# Altium PCB LS1C300B_176A_Msystem.PcbDoc (part 1 of 3)
Units mm, origin at the board's own origin, x right, y up, seen from the top; angles counter-clockwise.
Board outline 100 x 70 mm, 2 copper layers (Top Layer, Bottom Layer); 142 components, 186 nets, 729 pads, 316 vias.
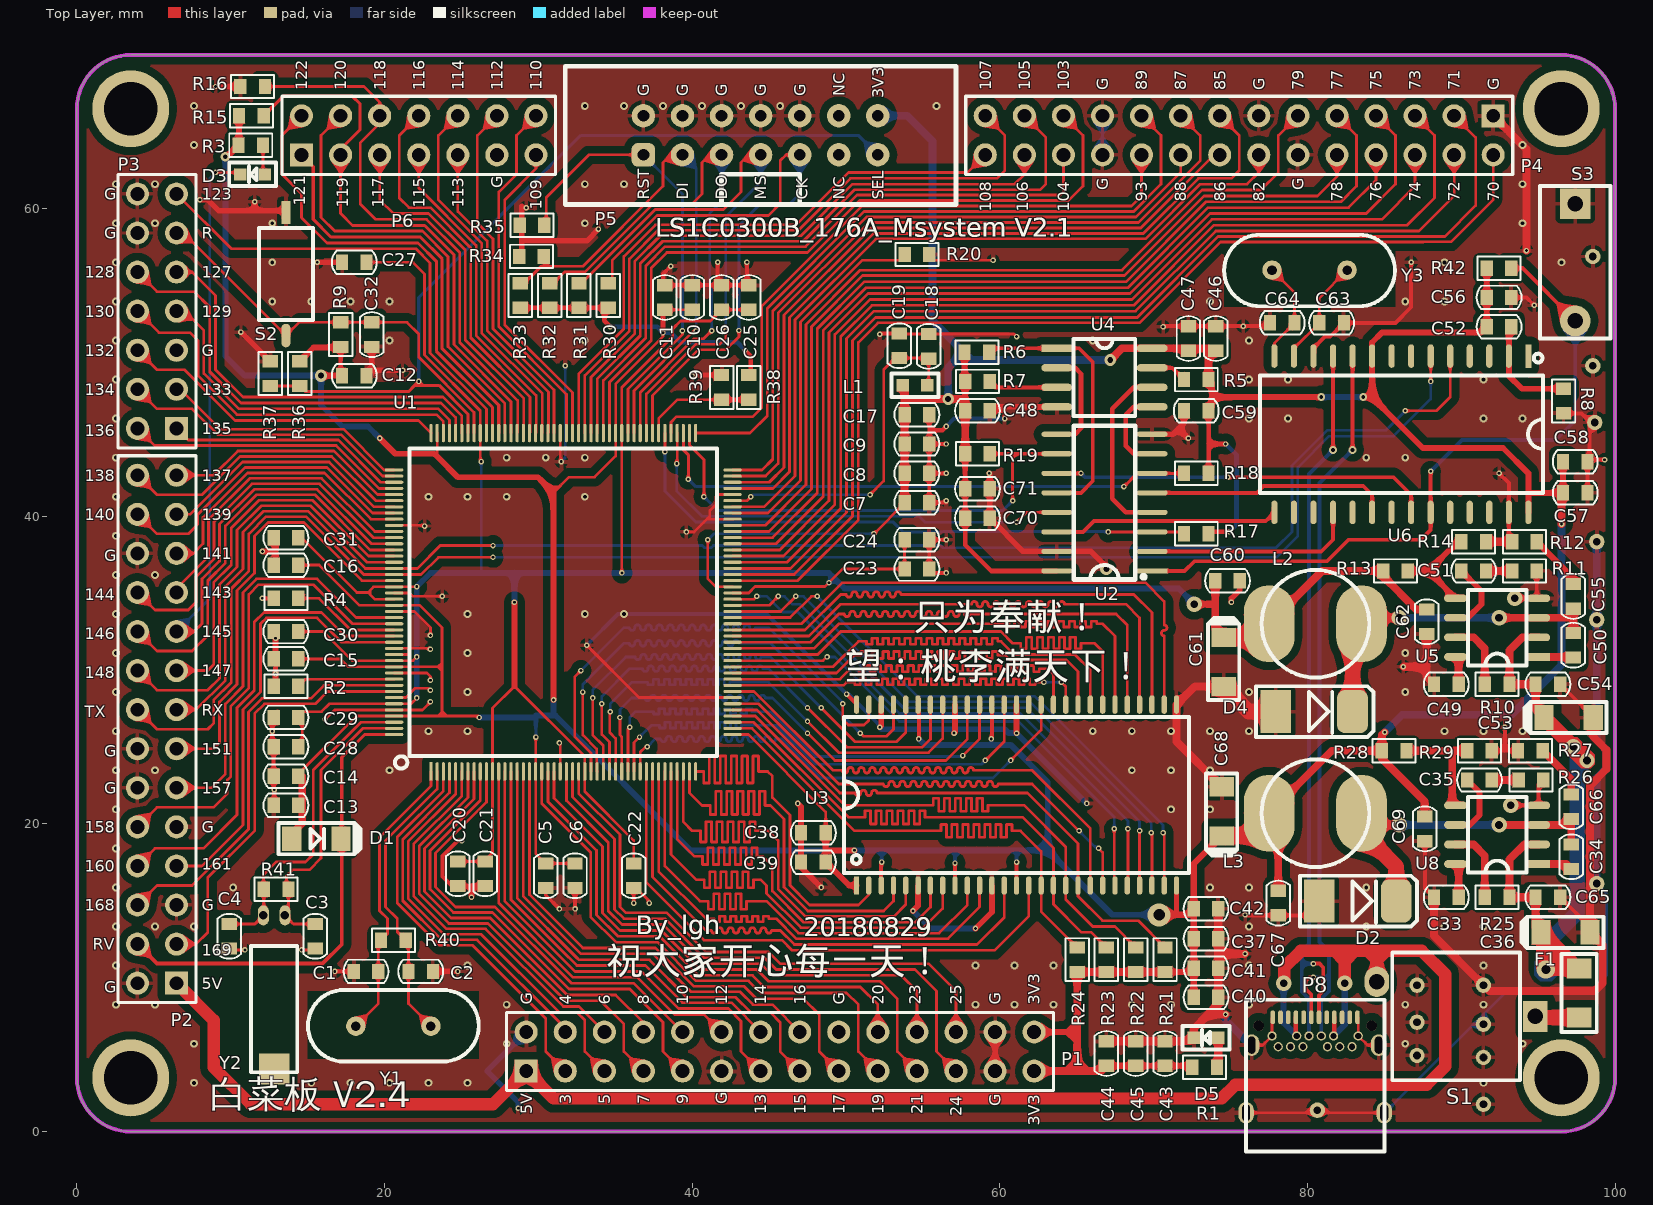
[diagram p0: Top Layer view]
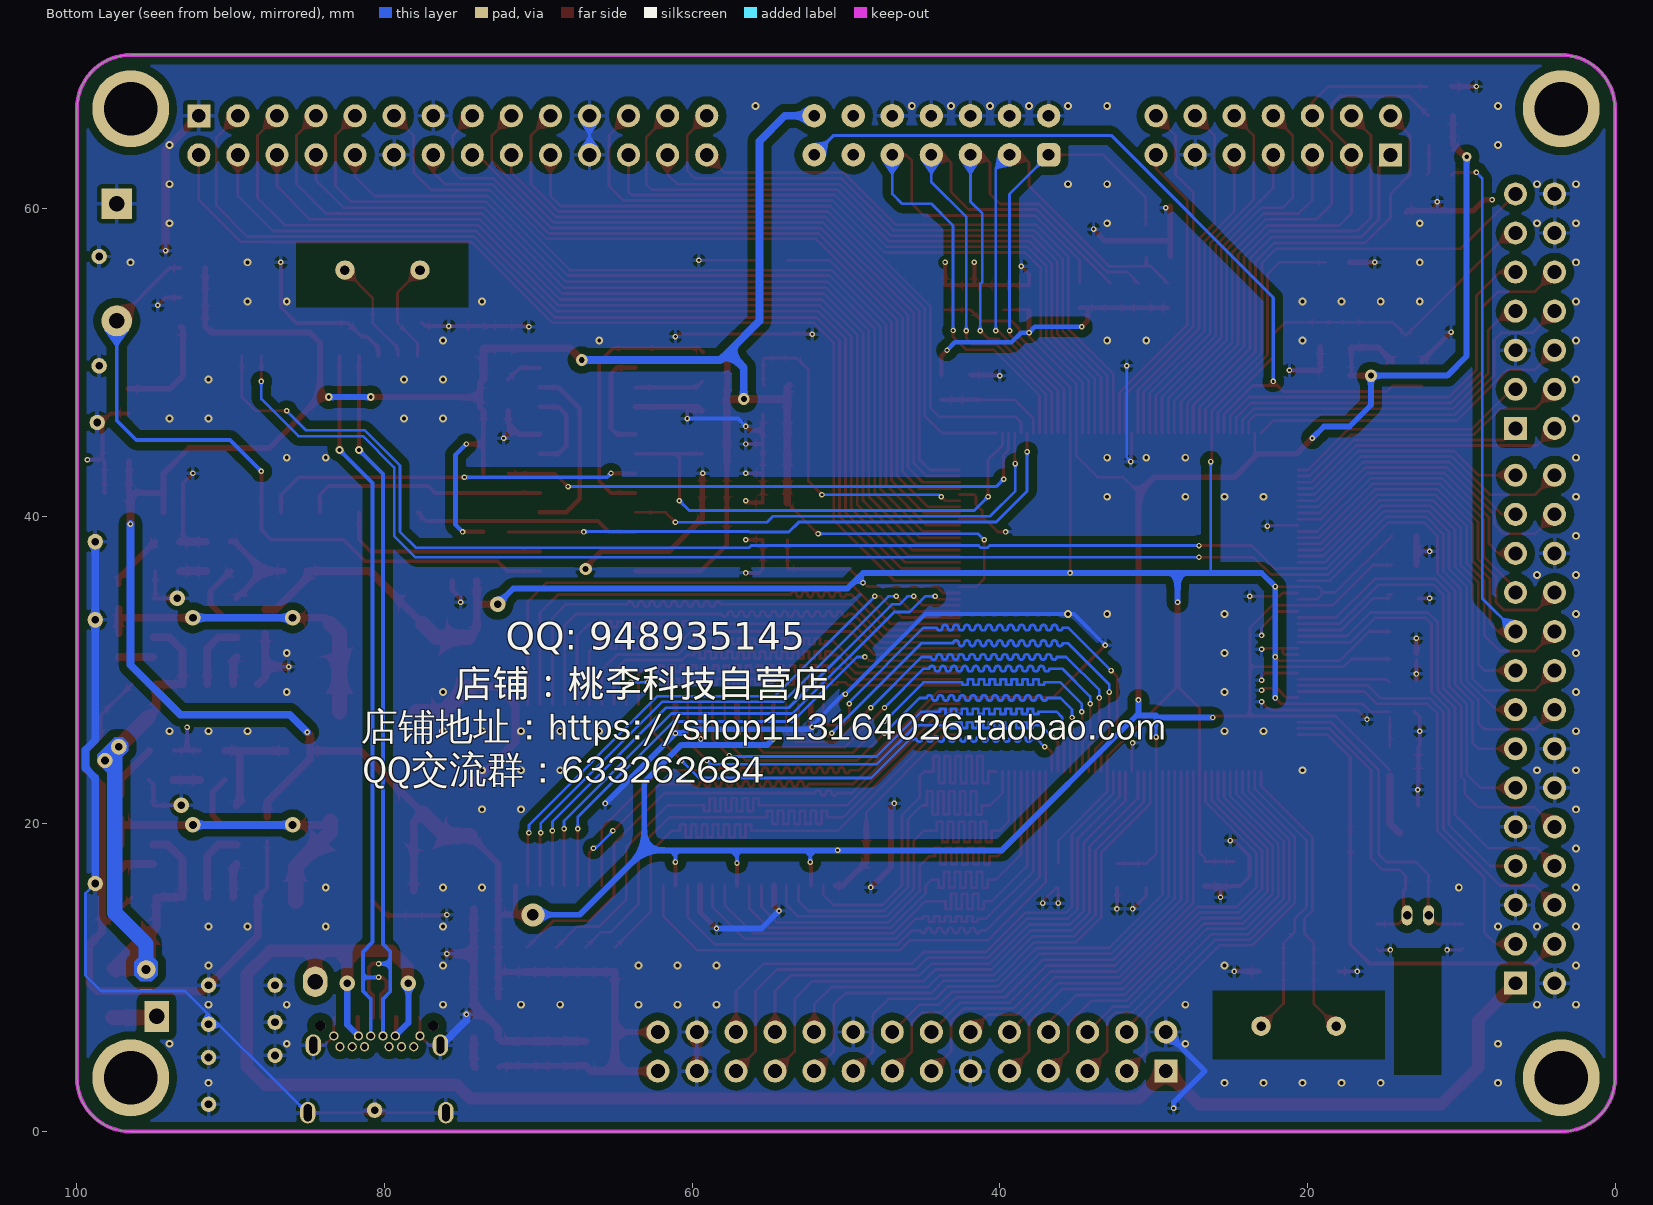
[diagram p1: Bottom Layer view, seen from below]

## Layer stack, top to bottom
Top Solder: solder mask 0.0102, Solder Resist, Dk 3.5
Top Layer: signal copper 0.0356
Dielectric 1: dielectric 0.32, FR-4, Dk 4.8
Bottom Layer: signal copper 0.0356
Bottom Solder: solder mask 0.0102, Solder Resist, Dk 3.5

## Board outline
0,3.5 ccw(c3.5,3.5) 3.5,0 96.5,0 ccw(c96.5,3.5) 100,3.5 100,66.5 ccw(c96.5,66.5) 96.5,70 3.5,70 ccw(c3.5,66.5) 0,66.5

## Design rules (kind name [scope] priority, off if disabled: settings)
Clearance [All] p1: gap=0.508 ignorepadtopadclearanceinfootprint=FALSE except(0: Arc-Hole Track-Hole SMDPad-Hole THPad-Hole Via-Hole Fill-Hole Poly-Hole Region-Hole Text-Hole; 0.178: Arc-Arc Arc-Track Arc-SMDPad Track-Track Track-SMDPad SMDPad-SMDPad; 0.2: THPad-THPad; 0.254: Arc-THPad Arc-Via Arc-Text Track-THPad Track-Via Track-Text SMDPad-THPad SMDPad-Via SMDPad-Text THPad-Via THPad-Text Via-Via Via-Text Fill-Text Poly-Text Region-Text Text-Text)
ComponentClearance [All] p1: gap=0.01 collisioncheckmode=3 verticalgap=0.254 showdistances=FALSE
HoleSize [All] p1: absolutevalues=TRUE maxlimit=3.81 minlimit=0.025 maxpercent=80.000 minpercent=20.000
Length [All] p1: maxlimit=2540 minlimit=0
Length SDRAM [All] p2: maxlimit=36.83 minlimit=34.29
MinimumSolderMaskSliver [All] p1: minsoldermaskwidth=0
PolygonConnect [All] p1: connectstyle=Relief reliefconductorwidth=0.254 reliefentries=4 polygonreliefangle="90 Angle" airgapwidth=0.254
RoutingVias [All] p1: holewidth=0.178 width=0.356 viastyle="Through Hole" minholewidth=0.178 minwidth=0.356 maxholewidth=0.711 maxwidth=1.27
SilkToSilkClearance [All] p1: silktosilkclearance=0
SilkToSolderMaskClearance [IsPad] p1: minsilkscreentomaskgap=0 clearancetoexposedcopper=TRUE
SolderMaskExpansion [All] p1: expansion=0.102
Width [All] p1: maxlimit=1.06 minlimit=0.152 preferedwidth=0.203
25 further rules are at their usual default settings.

## Components (designator, comment, footprint, x,y, rotation, side; value= is the part's Value field where it differs from the comment)
C1 "贴片电容" C0603 18.796,10.414 r0 top value=22pF
C2 "贴片电容" C0603 22.352,10.414 r180 top value=22pF
C3 "贴片电容" C0603 15.494,12.7 r90 top value=22pF
C4 "贴片电容" C0603 9.906,12.7 r90 top value=22pF
C5 "贴片电容" C0603 30.48,16.637 r90 top value=106
C6 "贴片电容" C0603 32.385,16.637 r90 top value=104
C7 "贴片电容" C0603 54.61,40.894 r180 top value=106
C8 "贴片电容" C0603 54.61,42.799 r180 top value=104
C9 "贴片电容" C0603 54.61,44.704 r180 top value=104
C10 "贴片电容" C0603 40.005,54.229 r270 top value=106
C11 "贴片电容" C0603 38.227,54.229 r270 top value=104
C12 "贴片电容" C0603 18.034,49.149 r180 top value=104
C13 "贴片电容" C0603 13.589,21.209 r0 top value=106
C14 "贴片电容" C0603 13.589,23.114 r0 top value=104
C15 "贴片电容" C0603 13.589,30.734 r0 top value=104
C16 "贴片电容" C0603 13.589,36.83 r0 top value=104
C17 "贴片电容" C0603 54.61,46.609 r180 top value=104
C18 "贴片电容" C0603 55.372,51.054 r270 top value=104
C19 "贴片电容" C0603 53.467,51.092 r270 top value=106
C20 "贴片电容" C0603 24.765,16.764 r90 top value=106
C21 "贴片电容" C0603 26.543,16.764 r90 top value=104
C22 "贴片电容" C0603 36.195,16.637 r90 top value=104
C23 "贴片电容" C0603 54.61,36.576 r180 top value=106
C24 "贴片电容" C0603 54.61,38.481 r180 top value=104
C25 "贴片电容" C0603 43.688,54.229 r270 top value=106
C26 "贴片电容" C0603 41.91,54.229 r270 top value=104
C27 "贴片电容" C0603 18.034,56.515 r0 top value=104
C28 "贴片电容" C0603 13.589,25.019 r0 top value=106
C29 "贴片电容" C0603 13.589,26.924 r0 top value=104
C30 "贴片电容" C0603 13.589,32.512 r0 top value=104
C31 "贴片电容" C0603 13.589,38.608 r0 top value=104
C32 "贴片电容" C0603 19.177,51.816 r90 top value=106
C33 "贴片电容" C0603 89.027,15.24 r180 top value=104
C34 "贴片电容" C0603 97.155,17.869 r90 top value=103
C35 "贴片电容" C0603 91.186,22.86 r180 top value="3.9nF 10%"
C36 "贴片钽电容" P-C1206 96.774,12.954 r0 top value=10uF/16V
C37 "贴片电容" C0603 73.406,12.535 r180 top value=106
C38 "贴片电容" C0603 47.879,19.431 r0 top value=104
C39 "贴片电容" C0603 47.879,17.526 r0 top value=104
C40 "贴片电容" C0603 73.406,8.725 r180 top value=104
C41 "贴片电容" C0603 73.406,10.63 r180 top value=104
C42 "贴片电容" C0603 73.406,14.478 r180 top value=104
C43 "贴片电容" C0603 70.739,5.08 r270 top value=104
C44 "贴片电容" C0603 66.929,5.08 r270 top value=104
C45 "贴片电容" C0603 68.834,5.08 r270 top value=104
C46 "贴片电容" C0603 74.041,51.562 r270 top value=106
C47 "贴片电容" C0603 72.263,51.562 r270 top value=104
C48 "贴片电容" C0603 58.547,46.863 r180 top value=104
C49 "贴片电容" C0603 89.027,29.083 r180 top value=104
C50 "贴片电容" C0603 97.282,31.623 r90 top value=103
C51 "贴片电容" C0603 90.805,36.449 r180 top value="3.9nF 10%"
C52 "贴片电容" C0603 92.456,52.324 r180 top value=104
C53 "贴片钽电容" P-C1206 96.977,26.924 r0 top value=10uF/16V
C54 "贴片电容" C0603 95.631,29.083 r180 top value=104
C55 "贴片电容" C0603 97.282,34.798 r270 top value=103
C56 "贴片电容" C0603 92.456,54.229 r180 top value=104
C57 "贴片电容" C0603 97.409,41.529 r180 top value=106
C58 "贴片电容" C0603 97.409,43.561 r180 top value=104
C59 "贴片电容" C0603 72.771,46.863 r0 top value=104
C60 "贴片电容" C0603 74.803,35.814 r0 top value=104
C61 "贴片钽电容" P-C1206 74.549,30.531 r270 top value=22uF/10V
C62 "贴片电容" C0603 87.757,33.147 r90 top value=104
C63 "贴片电容" C0603 81.572,52.578 r180 top value=22pF
C64 "贴片电容" C0603 78.359,52.578 r0 top value=22pF
C65 "贴片电容" C0603 95.631,15.24 r180 top value=104
C66 "贴片电容" C0603 97.155,21.12 r270 top value=103
C67 "贴片电容" C0603 78.105,14.859 r270 top value=104
C68 "贴片钽电容" P-C1206 74.422,20.828 r90 top value=22uF/10V
C69 "贴片电容" C0603 87.63,19.685 r90 top value=104
C70 "贴片电容" C0603 58.547,39.878 r180 top value=106
C71 "贴片电容" C0603 58.547,41.783 r180 top value=104
D1 "贴片二极管" LL-34 15.57,19.05 r0 top value=1NA4148
D2 "贴片二极管" DO-214AC 80.772,14.986 r0 top value=SS24
D3 "LED灯" LED-0603 11.43,62.23 r180 top value="绿色LED 0603"
D4 "贴片二极管" DO-214AC 77.931,27.305 r0 top value=SS24
D5 "LED灯" LED-0603 73.406,6.096 r180 top value="绿色LED 0603"
F1 "贴片保险丝" R1206 97.663,9.017 r270 top value=3A/5A
L1 "贴片电感" L0603 54.483,48.514 r0 top value=10uH
L2 "贴片电感" CD75 80.518,33.02 r0 top value=10uH
L3 "贴片电感" CD75 80.518,20.701 r0 top value=10uH
P1 "双排直针插针" HDR2X14 29.21,3.937 r0 top value=2*14P/2.54mm
P2 "双排直针插针" HDR2X14 6.477,9.652 r90 top value=2*14P/2.54mm
P3 "双排直针插针" HDR2X7 6.477,45.72 r90 top value=2*7P/2.54mm
P4 "双排直针插针" HDR2X14 92.075,66.04 r180 top value=2*14P/2.54mm
P5 "EJTAG接口14P" DC3-14P 44.45,64.77 r0 top value=DC3-14P/2*7p/2.54mm
P6 "双排直针插针" HDR2X7 14.605,63.5 r0 top value=2*7P/2.54mm
P8 "TYPE-C座子" TYPE-C-24PIN 76.824,6.873 r0 top value="type-C 24pin 前插后贴"
R1 "贴片电阻" R0603 73.317,4.191 r180 top value="10K 1%"
R2 "贴片电阻" R0603 13.589,28.956 r0 top value="44.2R 1%"
R3 "贴片电阻" R0603 11.303,64.135 r180 top value="10K 1%"
R4 "贴片电阻" R0603 13.589,34.671 r0 top value="44.2R 1%"
R5 "贴片电阻" R0603 72.771,48.895 r180 top value="10K 1%"
R6 "贴片电阻" R0603 58.509,50.673 r0 top value="10K 1%"
R7 "贴片电阻" R0603 58.547,48.768 r0 top value="10K 1%"
R8 "贴片电阻" R0603 96.647,47.498 r270 top value="10K 1%"
R9 "贴片电阻" R0603 17.145,51.816 r270 top value="100K 5%"
R10 "贴片电阻" R0603 92.329,29.083 r180 top value="100K 5%"
R11 "贴片电阻" R0603 94.107,36.449 r180 top value="6.8K 1%"
R12 "贴片电阻" R0603 94.107,38.354 r180 top value="44.2K 1%"
R13 "贴片电阻" R0603 85.725,36.449 r180 top value="3.0K 1%"
R14 "贴片电阻" R0603 90.805,38.354 r180 top value="10K 1%"
R15 "贴片电阻" R0603 11.341,66.04 r0 top value="10K 1%"
R16 "贴片电阻" R0603 11.43,67.945 r0 top value="10K 1%"
R17 "贴片电阻" R0603 72.771,38.862 r0 top value="10K 1%"
R18 "贴片电阻" R0603 72.771,42.799 r0 top value="10K 1%"
R19 "贴片电阻" R0603 58.547,44.069 r180 top value="10K 1%"
R20 "贴片电阻" R0603 54.61,57.023 r180 top value="10K 1%"
R21 "贴片电阻" R0603 70.739,11.176 r90 top value="10K 1%"
R22 "贴片电阻" R0603 68.834,11.176 r90 top value="10K 1%"
R23 "贴片电阻" R0603 66.929,11.176 r90 top value="10K 1%"
R24 "贴片电阻" R0603 65.024,11.176 r90 top value="10K 1%"
R25 "贴片电阻" R0603 92.329,15.24 r180 top value="100K 5%"
R26 "贴片电阻" R0603 94.526,22.86 r180 top value="6.8K 1%"
R27 "贴片电阻" R0603 94.488,24.765 r180 top value="44.2K 1%"
R28 "贴片电阻" R0603 85.636,24.765 r180 top value="26.1K 1%"
R29 "贴片电阻" R0603 91.186,24.765 r180 top value="10K 1%"
R30 "贴片电阻" R0603 34.544,54.356 r270 top value="10K 1%"
R31 "贴片电阻" R0603 32.639,54.356 r270 top value="10K 1%"
R32 "贴片电阻" R0603 30.734,54.356 r270 top value="10K 1%"
R33 "贴片电阻" R0603 28.829,54.356 r270 top value="10K 1%"
R34 "贴片电阻" R0603 29.553,56.896 r180 top value="10K 1%"
R35 "贴片电阻" R0603 29.591,58.928 r180 top value="10K 1%"
R36 "贴片电阻" R0603 14.478,49.276 r90 top value="10K 1%"
R37 "贴片电阻" R0603 12.573,49.276 r90 top value="10K 1%"
R38 "贴片电阻" R0603 43.688,48.387 r90 top value="10K 1%"
R39 "贴片电阻" R0603 41.91,48.387 r90 top value="10K 1%"
R40 "贴片电阻" R0603 20.574,12.446 r180 top value="1M 5%"
R41 "贴片电阻" R0603 12.954,15.748 r0 top value="1M 5%"
R42 "贴片电阻" R0603 92.456,56.134 r180 top value="10K 1%"
S1 "开关" YT-8008-112A 89.662,7.493 r180 top value="DC30V/1A YT-8008-112A"
S2 "贴片轻触按钮" "Touch button" 13.589,55.753 r270 top value=3.5*6*2.5mm
S3 "开关" DS-01 97.409,56.515 r270 top value=DS-01
U1 "LS1C300B_176A" QFP176 31.623,34.417 r0 top
U2 "四通道单刀双掷模拟开关" SOP-16 66.802,40.894 r90 top value=CH440G
U3 "SDRAM" TSOP54 61.086,21.882 r0 top value=V54C3256164VHI6/IS42S16400-7T
U4 "NOR FLASH" SOIC-8-N 66.802,49.022 r270 top value=W25Q80
U5 "电源稳压芯片" SOIC-8 92.329,32.766 r90 top value=MP1482DS
U6 "通信芯片" SOP28 86.106,45.339 r180 top value=CH341A
U8 "电源稳压芯片" SOIC-8 92.329,19.304 r90 top value=MP1482DS
Y1 "直插晶振" HC-49S 20.574,6.858 r0 top value=24MHz
Y2 "直插晶振" TC-38 12.827,14.064 r90 top value=32.768KHz
Y3 "直插晶振" HC-49S 80.137,56.007 r180 top value=12MHz

## Footprints (in the part's own frame and the unit in brackets; to place one, negate y for a bottom-side part, rotate by r counter-clockwise, add the part's x,y. Pads: shape width x height; smd on the part's side, far side on the other; paste and mask are expansions set on the pad)
C0603 [mm] "长1.6mm，宽0.8mm，高0.5mm"
  rect 0.8x1 smd: 1(-0.8,0) 2(0.8,0)
  silkscreen extent -1.46,-0.76 1.46,0.76, body extent -0.76,-0.38 0.76,0.38, height 0.5
CD75 [mm] "直径7mm，高5mm，2A电流"
  oval 3.3x5 smd: 1(-3,0) 2(3,0)
  silkscreen extent -3.5,-3.5 3.5,3.5, body extent -3.5,-3.5 3.5,3.5, height 5
DC3-14P [mil]
  rrect50% 60x60 hole 30: 1(-300,-50)
  round 60 hole 30: 2(-200,-50) 3(-100,-50) 4(0,-50) 5(100,-50) 6(200,-50) 7(300,-50) 8(300,50) 9(200,50) 10(100,50) 11(0,50) 12(-100,50) 13(-200,50) 14(-300,50)
  silkscreen extent -500,-177 500,177, body extent -500,-175 500,175, height 354
DO-214AC [mm] "长5.2mm，宽2.9mm，高2.4mm"
  rect 2x2.8 smd: 1(0,0)
  rrect50% 2x2.8 smd: 2(5,0)
  silkscreen extent -1.27,-1.65 6.35,1.65, body extent -0.13,-1.4 5.14,1.4, height 2.41
DS-01 [mm] "长9.9mm，宽4.6mm，高6.7mm，最高8mm，脚间距7.62mm"
  rect 2x2 hole 1: 1(-3.81,0)
  round 2 hole 1: 2(3.81,0)
  silkscreen extent -4.95,-2.3 4.95,2.3, body extent -4.95,-2.29 4.95,2.41, height 8
HC-49S [mm] "高壳体积为10.5*4.5*3.5mm 矮壳体积10.5*5*.0*2.5mm"
  round 1.26 hole 0.63: 1(-2.44,0) 2(2.44,0)
  silkscreen extent -5.55,-2.3 5.55,2.35, body extent -5.6,-2.3 5.6,2.43, height 3.5
HDR2X7 [mm] "Connector; Header; 7x2 Position"
  rect 1.5x1.5 hole 0.9: 1(0,0)
  round 1.5 hole 0.9: 2(0,2.54) 3(2.54,0) 4(2.54,2.54) 5(5.08,0) 6(5.08,2.54) 7(7.62,0) 8(7.62,2.54) 9(10.16,0) 10(10.16,2.54) 11(12.7,0) 12(12.7,2.54) 13(15.24,0) 14(15.24,2.54)
  silkscreen extent -1.27,-1.27 16.51,3.81
HDR2X14 [mm] "Connector; Header; 14x2 Position"
  rect 1.5x1.5 hole 0.9: 1(0,0)
  round 1.5 hole 0.9: 2(0,2.54) 3(2.54,0) 4(2.54,2.54) 5(5.08,0) 6(5.08,2.54) 7(7.62,0) 8(7.62,2.54) 9(10.16,0) 10(10.16,2.54) 11(12.7,0) 12(12.7,2.54) 13(15.24,0) 14(15.24,2.54) 15(17.78,0) 16(17.78,2.54) 17(20.32,0) 18(20.32,2.54) 19(22.86,0) 20(22.86,2.54) 21(25.4,0) 22(25.4,2.54) 23(27.94,0) 24(27.94,2.54) 25(30.48,0) 26(30.48,2.54) 27(33.02,0) 28(33.02,2.54)
  silkscreen extent -1.27,-1.27 34.29,3.81
L0603 [mm] "长1.6mm，宽0.8mm，高0.5mm"
  rect 0.8x0.8 smd: 1(-0.8,0) 2(0.8,0)
  silkscreen extent -1.52,-0.76 1.52,0.76, body extent -0.76,-0.38 0.76,0.38, height 0.5
LED-0603 [mm] "长1.6mm，宽0.8mm，高0.5mm"
  rect 0.8x0.8 smd: 1(-0.8,0) 2(0.8,0)
  silkscreen extent -1.52,-0.76 1.52,0.76, body extent -0.76,-0.38 0.76,0.38, height 0.5
LL-34 [mm] "长3.4mm，宽1.35mm，高1.35mm"
  rect 1.25x1.6 smd: 1(-1.6,0) 2(1.6,0)
  silkscreen extent -2.46,-1.02 2.87,1.02, body extent -1.65,-0.7 1.65,0.7, height 1.39
P-C1206 [mm] "长3.2mm，宽1.6mm，高1.6mm"
  rect 1.25x1.6 smd: 1(-1.6,0) 2(1.6,0)
  silkscreen extent -2.87,-1.02 2.46,1.02, body extent -1.65,-0.76 1.65,0.76, height 2
QFP176 [mm] "body长宽20mm，引脚长宽22mm,脚间距0.4mm"
  rect 0.2x1.2 smd: 1(-8.6,-11)
  oval 0.2x1.2 smd: 2(-8.2,-11) 3(-7.8,-11) 4(-7.4,-11) 5(-7,-11) 6(-6.6,-11) 7(-6.2,-11) 8(-5.8,-11) 9(-5.4,-11) 10(-5,-11) 11(-4.6,-11) 12(-4.2,-11) 13(-3.8,-11) 14(-3.4,-11) 15(-3,-11) 16(-2.6,-11) 17(-2.2,-11) 18(-1.8,-11) 19(-1.4,-11) 20(-1,-11) 21(-0.6,-11) 22(-0.2,-11) 23(0.2,-11) 24(0.6,-11) 25(1,-11) 26(1.4,-11) 27(1.8,-11) 28(2.2,-11) 29(2.6,-11) 30(3,-11) 31(3.4,-11) 32(3.8,-11) 33(4.2,-11) 34(4.6,-11) 35(5,-11) 36(5.4,-11) 37(5.8,-11) 38(6.2,-11) 39(6.6,-11) 40(7,-11) 41(7.4,-11) 42(7.8,-11) 43(8.2,-11) 44(8.6,-11) 89(8.6,11) 90(8.2,11) 91(7.8,11) 92(7.4,11) 93(7,11) 94(6.6,11) 95(6.2,11) 96(5.8,11) 97(5.4,11) 98(5,11) 99(4.6,11) 100(4.2,11) 101(3.8,11) 102(3.4,11) 103(3,11) 104(2.6,11) 105(2.2,11) 106(1.8,11) 107(1.4,11) 108(1,11) 109(0.6,11) 110(0.2,11) 111(-0.2,11) 112(-0.6,11) 113(-1,11) 114(-1.4,11) 115(-1.8,11) 116(-2.2,11) 117(-2.6,11) 118(-3,11) 119(-3.4,11) 120(-3.8,11) 121(-4.2,11) 122(-4.6,11) 123(-5,11) 124(-5.4,11) 125(-5.8,11) 126(-6.2,11) 127(-6.6,11) 128(-7,11) 129(-7.4,11) 130(-7.8,11) 131(-8.2,11) 132(-8.6,11)
  oval 1.2x0.2 smd: 45(11,-8.6) 46(11,-8.2) 47(11,-7.8) 48(11,-7.4) 49(11,-7) 50(11,-6.6) 51(11,-6.2) 52(11,-5.8) 53(11,-5.4) 54(11,-5) 55(11,-4.6) 56(11,-4.2) 57(11,-3.8) 58(11,-3.4) 59(11,-3) 60(11,-2.6) 61(11,-2.2) 62(11,-1.8) 63(11,-1.4) 64(11,-1) 65(11,-0.6) 66(11,-0.2) 67(11,0.2) 68(11,0.6) 69(11,1) 70(11,1.4) 71(11,1.8) 72(11,2.2) 73(11,2.6) 74(11,3) 75(11,3.4) 76(11,3.8) 77(11,4.2) 78(11,4.6) 79(11,5) 80(11,5.4) 81(11,5.8) 82(11,6.2) 83(11,6.6) 84(11,7) 85(11,7.4) 86(11,7.8) 87(11,8.2) 88(11,8.6) 133(-11,8.6) 134(-11,8.2) 135(-11,7.8) 136(-11,7.4) 137(-11,7) 138(-11,6.6) 139(-11,6.2) 140(-11,5.8) 141(-11,5.4) 142(-11,5) 143(-11,4.6) 144(-11,4.2) 145(-11,3.8) 146(-11,3.4) 147(-11,3) 148(-11,2.6) 149(-11,2.2) 150(-11,1.8) 151(-11,1.4) 152(-11,1) 153(-11,0.6) 154(-11,0.2) 155(-11,-0.2) 156(-11,-0.6) 157(-11,-1) 158(-11,-1.4) 159(-11,-1.8) 160(-11,-2.2) 161(-11,-2.6) 162(-11,-3) 163(-11,-3.4) 164(-11,-3.8) 165(-11,-4.2) 166(-11,-4.6) 167(-11,-5) 168(-11,-5.4) 169(-11,-5.8) 170(-11,-6.2) 171(-11,-6.6) 172(-11,-7) 173(-11,-7.4) 174(-11,-7.8) 175(-11,-8.2) 176(-11,-8.6)
  silkscreen extent -10.94,-10.82 10,10, body extent -10.03,-10.03 10.03,10.03, height 1.6
R0603 [mm] "长1.6mm，宽0.8mm，高0.5mm"
  rect 0.8x1 smd: 1(-0.8,0) 2(0.8,0)
  silkscreen extent -1.4,-0.76 1.4,0.76, body extent -0.76,-0.38 0.76,0.38, height 0.5
R1206 [mm] "长3.2mm，宽1.6mm，高1mm"
  rect 1.3x1.6 smd: 1(-1.6,0) 2(1.6,0)
  silkscreen extent -2.54,-1.14 2.54,1.14, body extent -1.52,-0.76 1.65,0.76, height 1
SOIC-8 [mm] "长4.9mm,宽5.4mm,高2mm"
  rect 0.5x1.5 smd: 1(-1.905,-2.7)
  oval 0.5x1.5 smd: 2(-0.635,-2.7) 3(0.635,-2.7) 4(1.905,-2.7) 5(1.905,2.7) 6(0.635,2.7) 7(-0.635,2.7) 8(-1.905,2.7)
  silkscreen extent -2.45,-1.9 2.45,1.9, body extent -2.54,-2.79 2.54,2.67, height 2
SOIC-8-N [mm] "长5mm，宽6.2mm，高1.75mm，脚间距1.27mm"
  rect 0.48x2 smd: 1(-1.905,-3.1)
  oval 0.48x2 smd: 2(-0.635,-3.1) 3(0.635,-3.1) 4(1.905,-3.1) 5(1.905,3.1) 6(0.635,3.1) 7(-0.635,3.1) 8(-1.905,3.1)
  silkscreen extent -2.5,-2 2.5,2, body extent -2.54,-3.18 2.54,3.18, height 1.27
SOP28 [mm] "body  18.4*7.62mm,引脚 18.4*10.16mm，脚间距1.27mm"
  rect 0.4x1.524 smd: 1(-8.255,-5.08)
  oval 0.4x1.524 smd: 2(-6.985,-5.08) 3(-5.715,-5.08) 4(-4.445,-5.08) 5(-3.175,-5.08) 6(-1.905,-5.08) 7(-0.635,-5.08) 8(0.635,-5.08) 9(1.905,-5.08) 10(3.175,-5.08) 11(4.445,-5.08) 12(5.715,-5.08) 13(6.985,-5.08) 14(8.255,-5.08) 15(8.255,5.08) 16(6.985,5.08) 17(5.715,5.08) 18(4.445,5.08) 19(3.175,5.08) 20(1.905,5.08) 21(0.635,5.08) 22(-0.635,5.08) 23(-1.905,5.08) 24(-3.175,5.08) 25(-4.445,5.08) 26(-5.715,5.08) 27(-6.985,5.08) 28(-8.255,5.08)